# Altium PCB PI_CAN_Interface_v3.PcbDoc
Units mil, origin at the board's own origin, x right, y up, seen from the top; angles counter-clockwise.
Board outline 2565.49 x 2211.16 mil, 4 copper layers (TOP, GND, PWR, BOT), stack 58.4 mil thick; 49 components, 39 nets, 189 pads, 280 vias.
Unrouted connection lines stored in the file: 4.
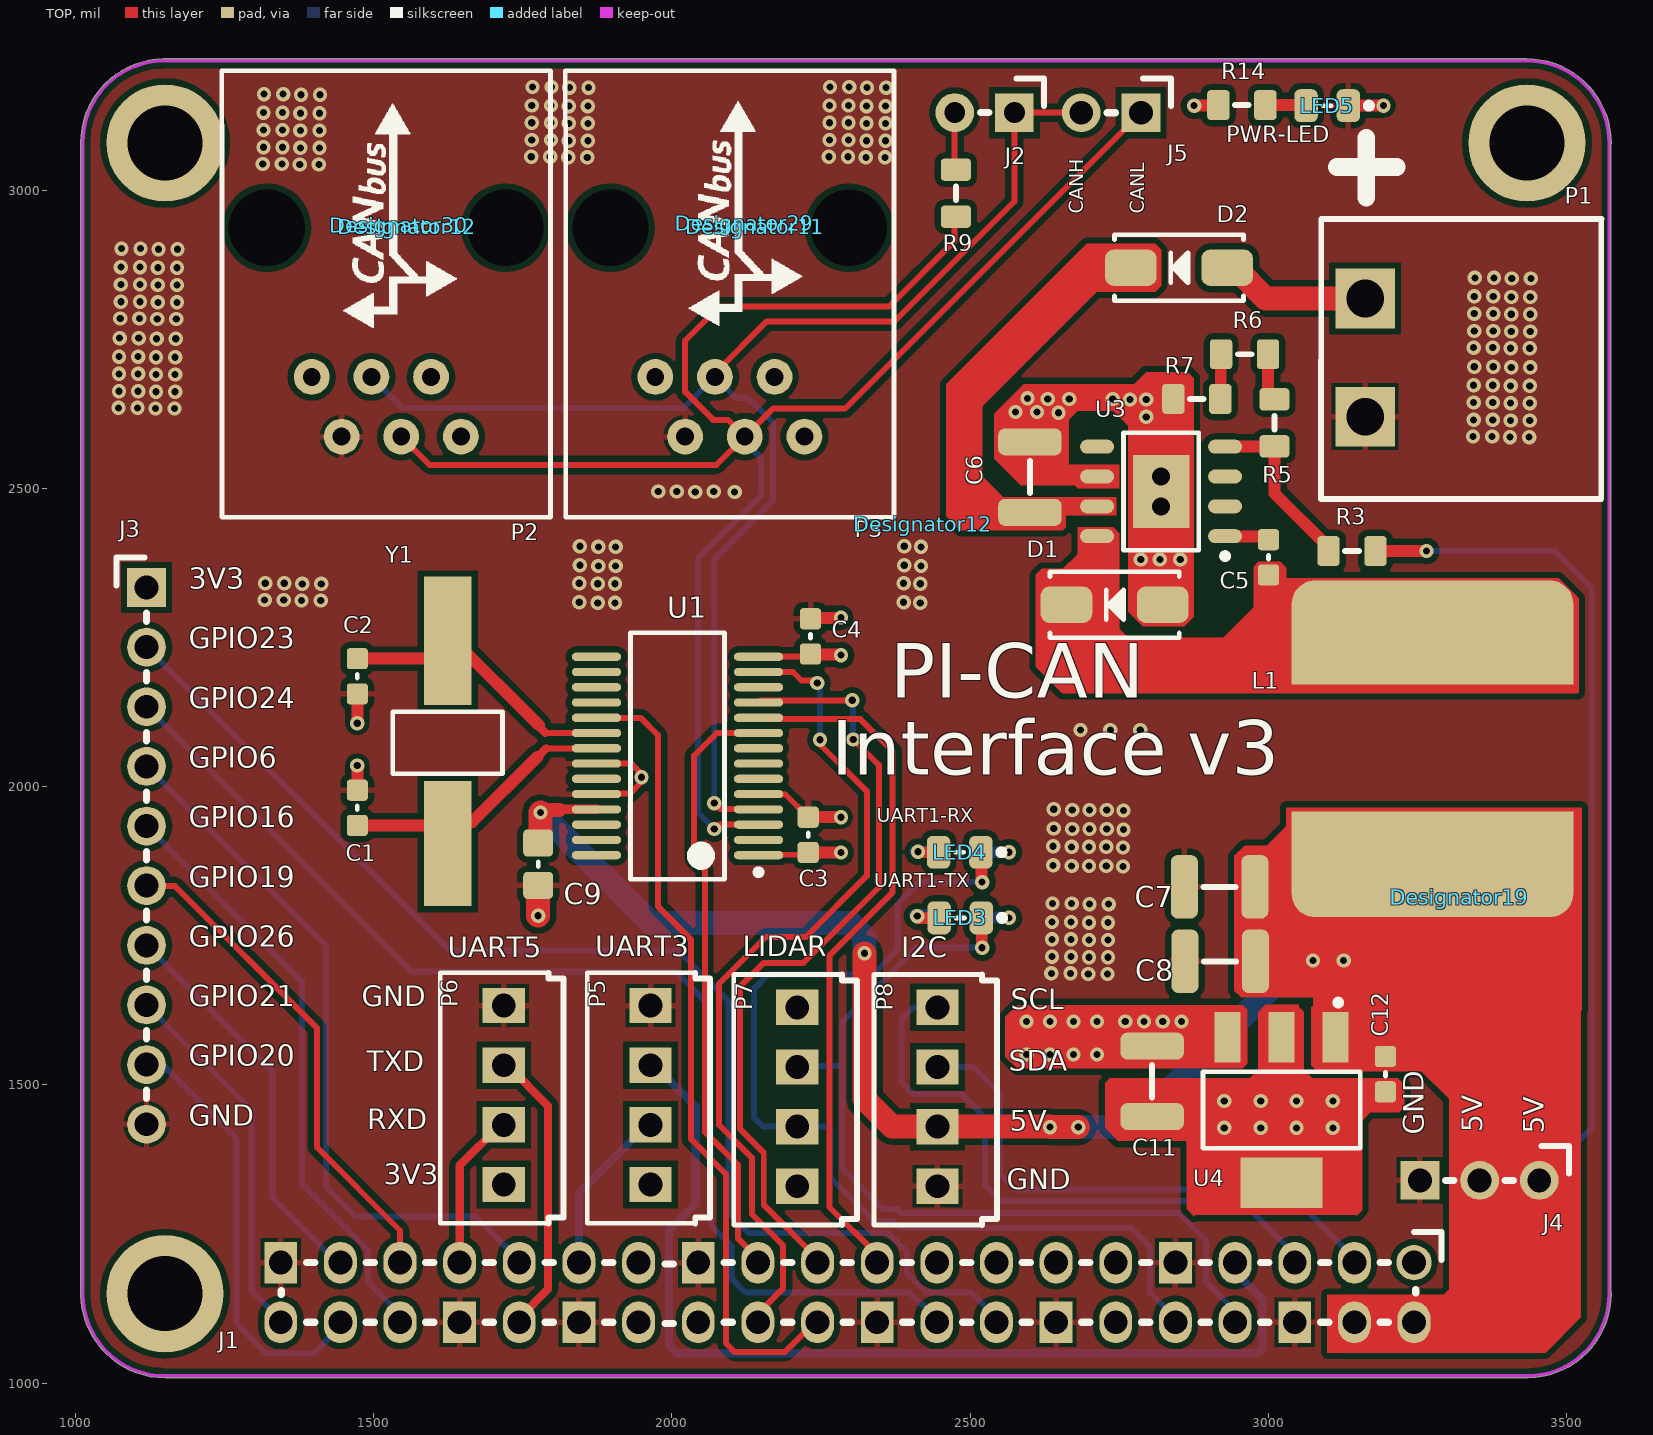
[diagram p0: TOP view]
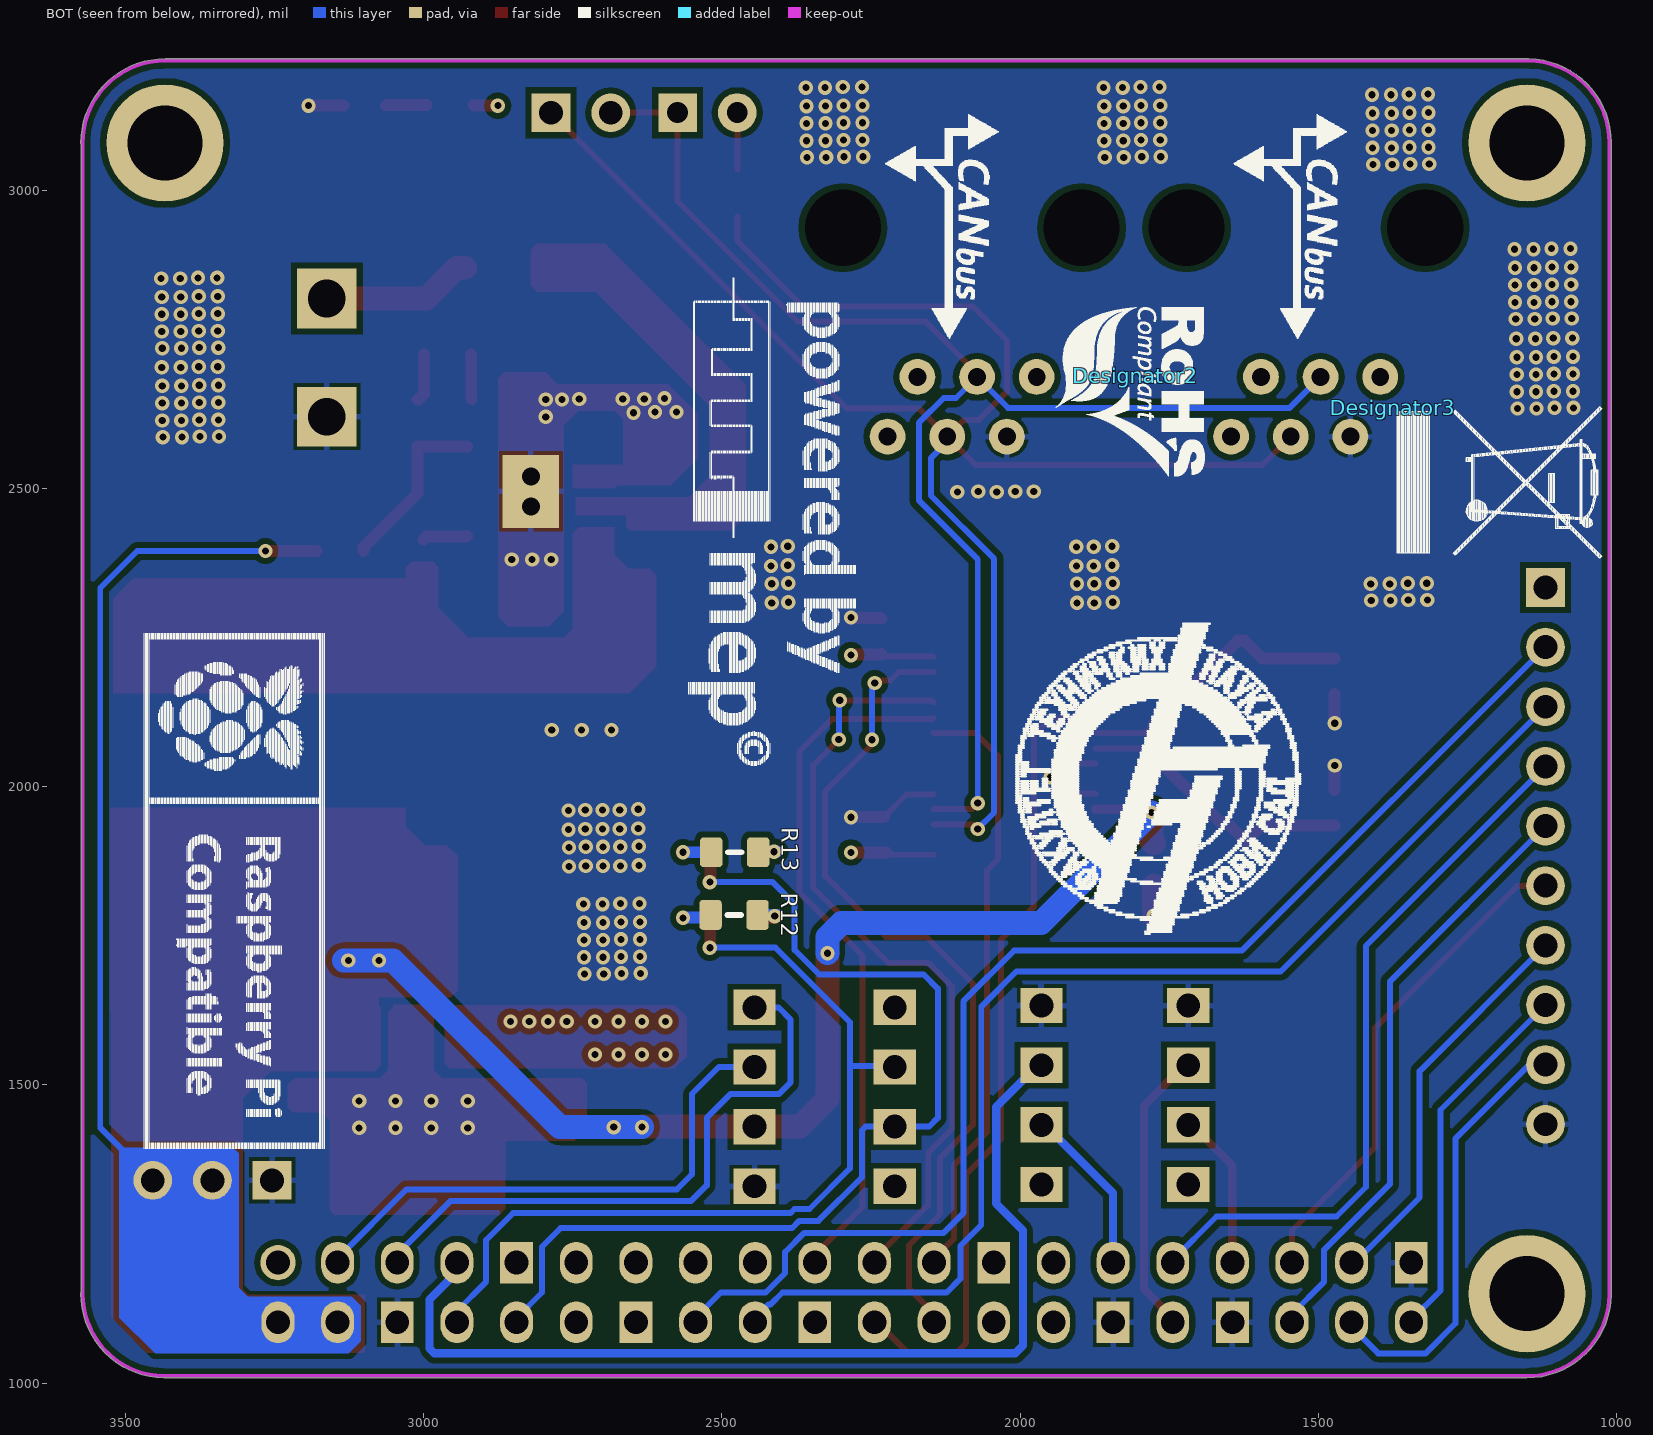
[diagram p1: BOT view, seen from below]
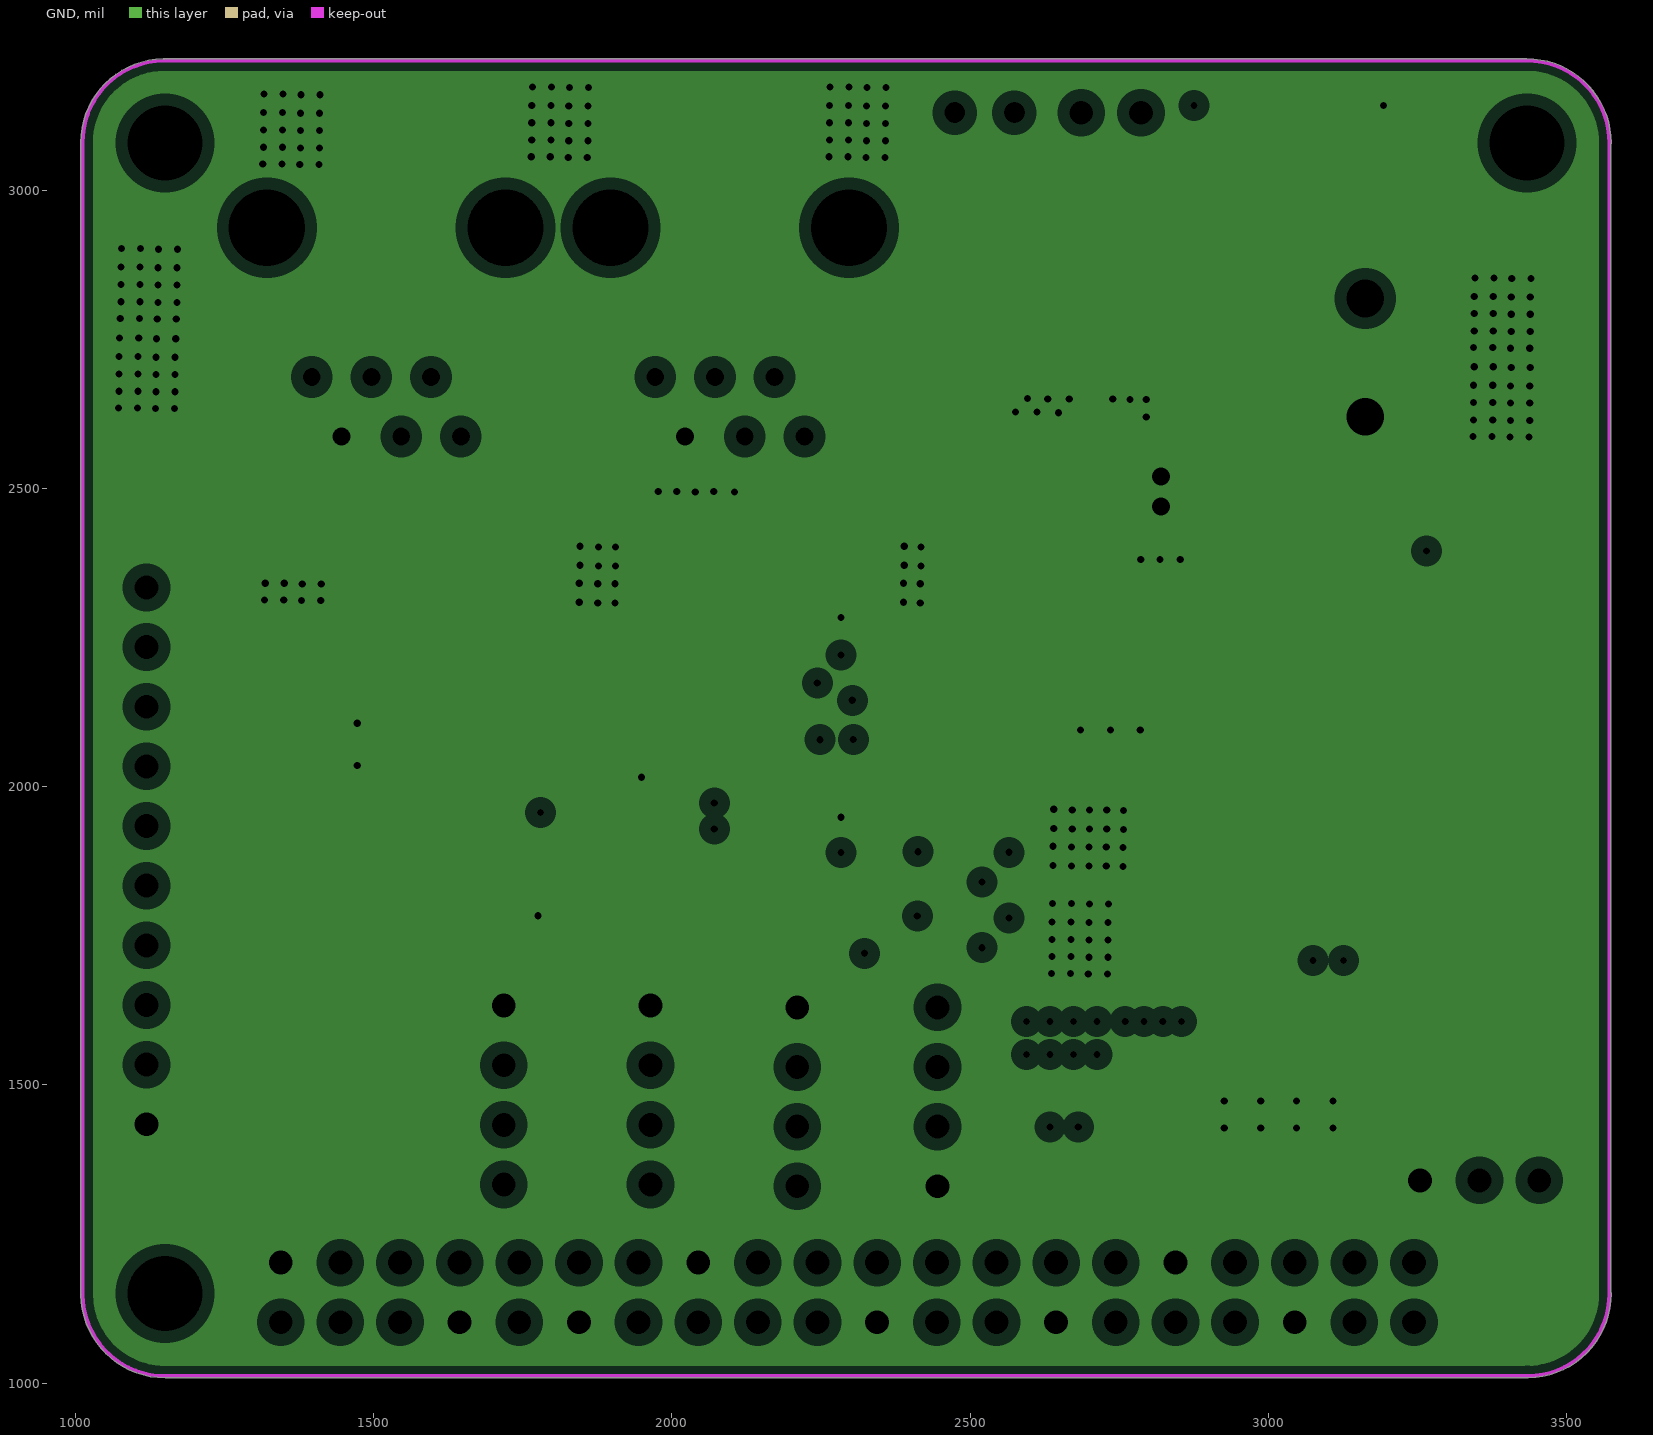
[diagram p2: GND, clearances drawn from the general rule]
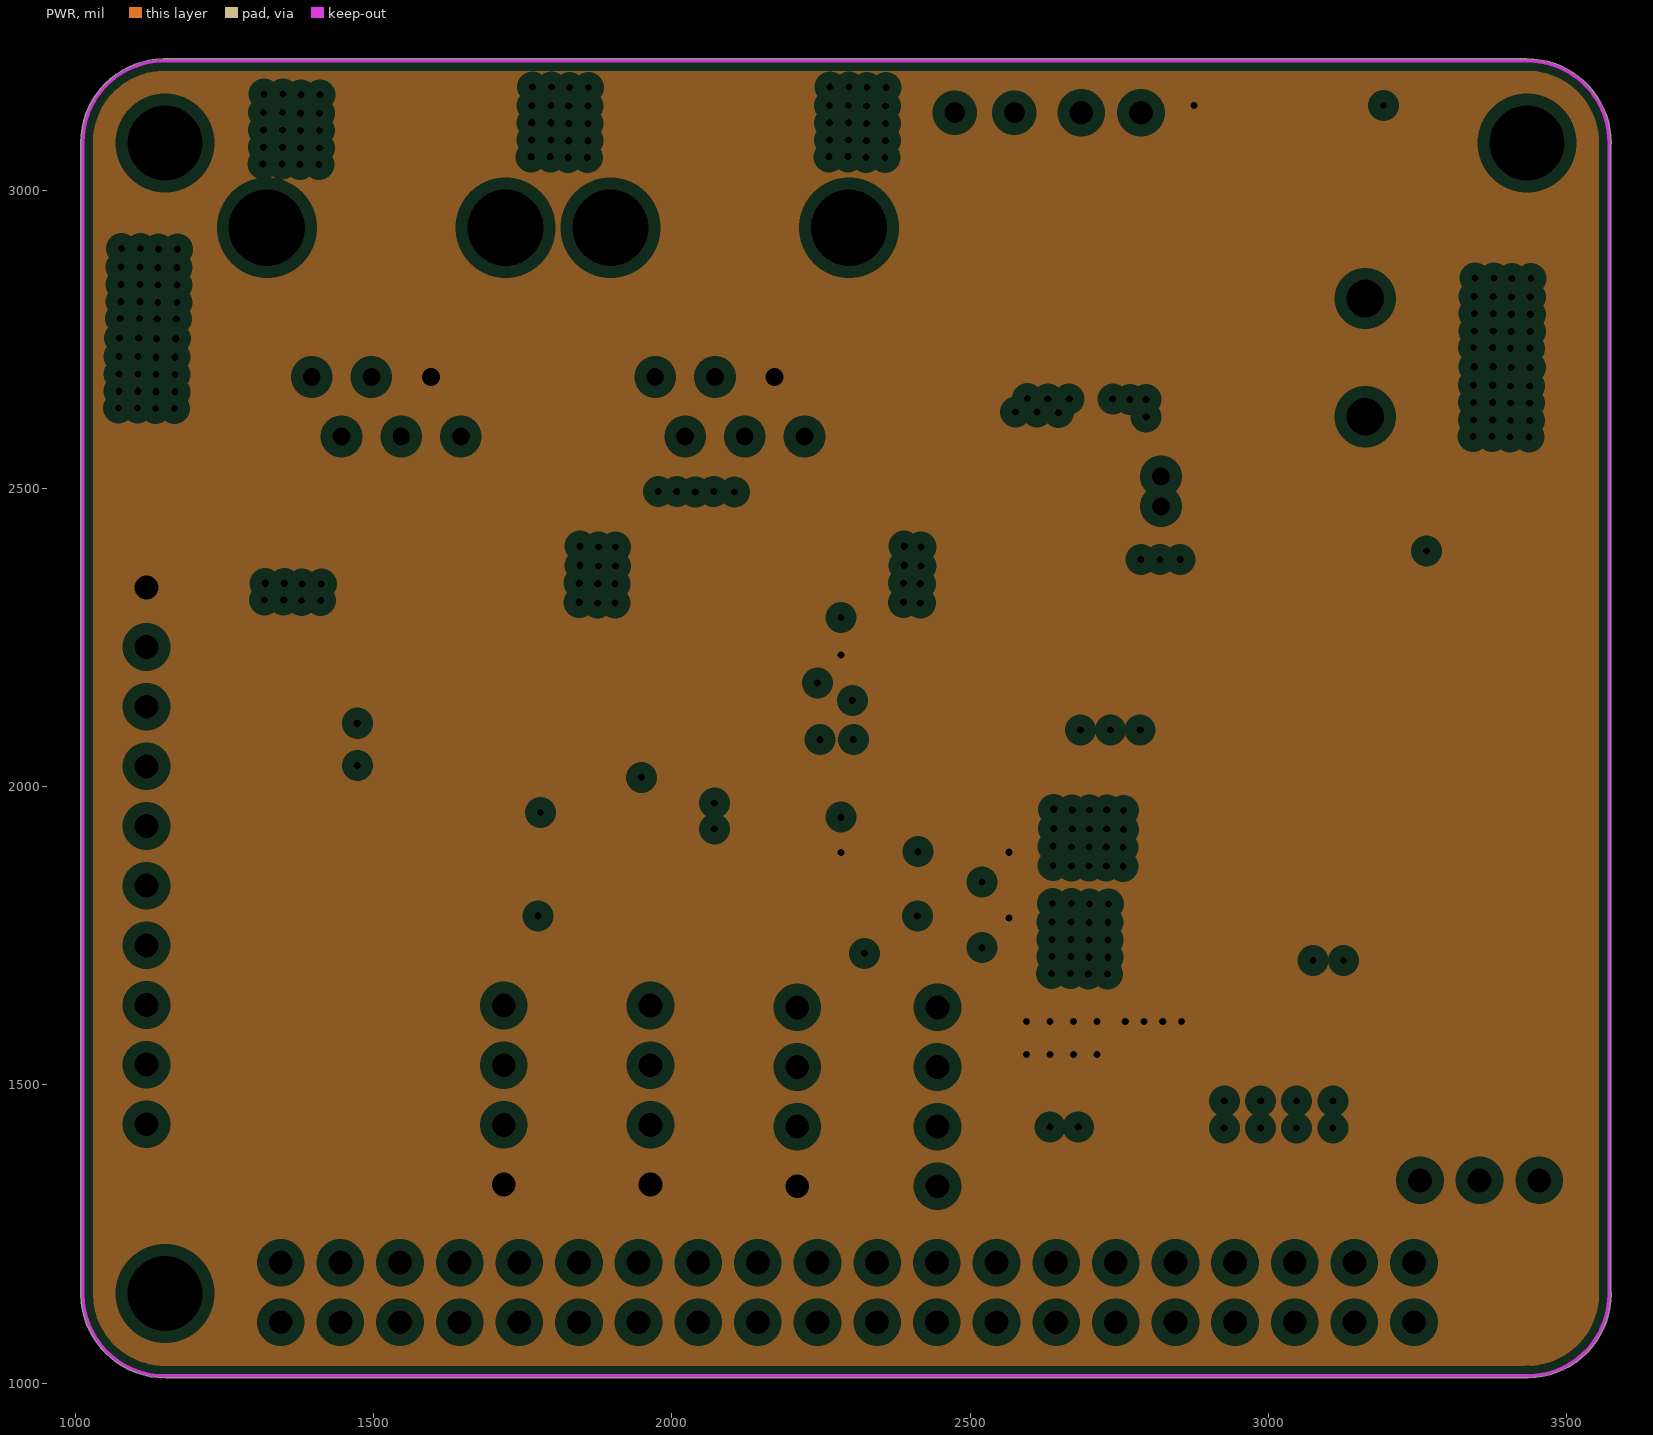
[diagram p3: PWR, clearances drawn from the general rule]

## Layer stack, top to bottom
Top Solder: solder mask 0.4, Solder Resist, Dk 3.5
TOP: signal copper 1.4
Dielectric 2: prepreg 2.8, PP-006, Dk 4.29
GND: plane copper 1.378, net GND
Dielectric 1: dielectric 47.2441, FR-4, Dk 4.8
PWR: plane copper 1.378, net VCC-3V3
Dielectric 3: prepreg 2.8, PP-006, Dk 4.29
BOT: signal copper 1.4
Bottom Solder: solder mask 0.4, Solder Resist, Dk 3.5

## Board outline
1009,1147.93 cw(c1012.01,1147.97) 1009.19,1149.03 cw(c1012,1150.13) 1008.99,1150.13 1008.99,3080 cw(c1149.13,3080) 1147.07,3220.13 cw(c1147.12,3217.12) 1148.29,3219.89 cw(c1149.13,3217) 1149.13,3220.01 3432.44,3220.01 cw(c3433.33,3217.13) 3433.33,3220.15 cw(c3433.46,3079.13) 3574.48,3079.13 cw(c3433.46,3079.13) 3574.48,3079 cw(c3571.46,3079) 3574.01,3077.39 3574.01,1151.74 cw(c3571.46,1150.13) 3574.48,1150.14 cw(c3433.47,1150) 3574.48,1150 cw(c3433.47,1150) 3435.54,1009 cw(c3435.5,1012.01) 3434.43,1009.19 cw(c3433.33,1012) 3433.33,1008.99 1150.13,1008.99 1150.14,1008.99 cw(c1150,1150)

## Design rules (kind name [scope] priority, off if disabled: settings)
Clearance [All] p1: gap=10 ignorepadtopadclearanceinfootprint=FALSE except(0: Arc-Hole Track-Hole SMDPad-Hole THPad-Hole Via-Hole Fill-Hole Poly-Hole Region-Hole Text-Hole)
PlaneClearance [All] p1: clearance=20
PlaneConnect [All] p1: pad.planeconnectstyle=Relief pad.reliefexpansion=20 pad.reliefentries=4 pad.reliefconductorwidth=10 pad.reliefairgap=10 via.planeconnectstyle=Direct via.reliefexpansion=20 via.reliefentries=4 via.reliefconductorwidth=10 via.reliefairgap=10
PolygonConnect [All] p1: thpad.connectstyle=Relief thpad.reliefconductorwidth=10 thpad.reliefentries=4 thpad.polygonreliefangle="90 Angle" thpad.airgapwidth=6 smdpad.connectstyle=Relief smdpad.reliefconductorwidth=10 smdpad.reliefentries=4 smdpad.polygonreliefangle="90 Angle" smdpad.airgapwidth=10 via.connectstyle=Direct via.reliefconductorwidth=10 via.reliefentries=4 via.polygonreliefangle="90 Angle" via.airgapwidth=6
RoutingVias [All] p1: holewidth=12 width=24 viastyle="Through Hole" minholewidth=12 minwidth=24 maxholewidth=28 maxwidth=50
SilkToSolderMaskClearance [IsPad] p1: minsilkscreentomaskgap=2 clearancetoexposedcopper=TRUE
SolderMaskExpansion [All] p1: expansion=4 istentingtop=FALSE
Width [All] p1: maxlimit=40 minlimit=10 preferedwidth=20
27 further rules are at their usual default settings.

## Classes and differential pairs
component class PI_CAN_Interface_v3: * C1 C2 C3 C4 C5 C6 C7 C8 C9 C11 C12 D1 D2 J1 J2 J3 J4 J5 L1 LED3 LED4 LED5 P1 P2 P3 P5 P6 P7 P8 R3 R5 R6 R7 R9 R12 R13 R14 U1 U3 U4 Y1

## Components (designator, comment, footprint, x,y, rotation, side; value= is the part's Value field where it differs from the comment)
C1 "6pF" CER_0603 1472.44,1964.57 r0 top
C2 "6pF" CER_0603 1472.44,2185.04 r180 top
C3 "100n" CER_0603 2228.35,1919.29 r0 top
C4 "100n" CER_0603 2232.28,2251.97 r0 top
C5 "0.01uF" CER_0603 3000,2384.53 r180 top
C6 "10uF" CER_1210 2600,2520 r0 top
C7 "100uF" CER_1210 2917,1832 r90 top
C8 "100uF" CER_1210 2918,1707 r90 top
C9 "100nF" CER_0805 1775.59,1870.08 r180 top
C11 "10uF" TANT_1210 2805,1507 r0 top
C12 "100n" CER_0603 3196,1518 r180 top
D1 "B340A" DO214AC 2742,2305 r0 top
D2 "SK34" DO214AC 2850,2870 r0 top
Designator2 "Comment" "Silk - ROHS" 1807.09,2688.98 r270 bottom
Designator3 "Comment" "SILK - RECYCLE maxi" 1375,2635 r270 bottom
Designator11 "Comment" CANbus_LOGO_bottom_big 2139,2939 r90 top
Designator12 "Comment" CANbus_LOGO_bottom_big 1555,2939 r90 top
Designator12 "Comment" MEP_LOGO_BIG 2420,2440 r90 top
Designator19 "Comment" RPI_PWD_bottom_big 3320,1815 r90 top
Designator29 "Comment" CANbus_LOGO_top 2121,2945 r90 top
Designator30 "Comment" CANbus_LOGO_top 1542,2941 r90 top
J1 "00000005" HM2X20 2294,1152 r270 top
J2 "*" HM1X2 2524,3130 r180 top
J3 "00000006" HM1X10 1119,1884 r270 top
J4 "*" HM1X3 3354,1340 r180 top
J5 "*" HM1x2 2736.22,3129.92 r180 top
L1 "15uH" INDUCTOR_SS1260-103MLD 3290,2065 r90 top
LED3 "LED GREEN" LED_GREEN_0805 2483.31,1780 r180 top
LED4 "LED GREEN" LED_GREEN_0805 2482.31,1890 r180 top
LED5 "LED RED" LED_RED_0805 3098.43,3141.73 r180 top
P1 "*" PWR_CON 3162,2620.43 r0 top
P2 "RJ-11" RJ11-6N-B 1498,2870 r270 top
P3 "RJ-11" RJ11-6N-B 2074,2870 r270 top
P5 "TE CONNECTIVITY_4PIN_MALE" "TE CONNECTIVITY_4PIN_MALE" 1964,1333 r90 top
P6 "TE CONNECTIVITY_4PIN_MALE" "TE CONNECTIVITY_4PIN_MALE" 1718,1333 r90 top
P7 "TE CONNECTIVITY_4PIN_MALE" "TE CONNECTIVITY_4PIN_MALE" 2210,1330 r90 top
P8 "TE CONNECTIVITY_4PIN_MALE" "TE CONNECTIVITY_4PIN_MALE" 2445,1330 r90 top
R3 "10k" RESC2013X38N-0805-NOOVERLAY 3140,2395 r90 top
R5 "220R" RESC2013X38N-0805-NOOVERLAY 3010,2610 r0 top
R6 "820R" RESC2013X38N-0805-NOOVERLAY 2960,2725 r90 top
R7 "2.2K" RESC2013X38N-0805-NOOVERLAY 2880,2650 r90 top
R9 "120R" RESC2013X38N-0805-NOOVERLAY 2476,2995 r180 top
R12 "1k" RESC2013X38N-0805-NOOVERLAY 2479.37,1785 r270 bottom
R13 "1k" RESC2013X38N-0805-NOOVERLAY 2478.31,1890 r270 bottom
R14 "1k" RESC2013X38N-0805-NOOVERLAY 2955.43,3142.73 r270 top
U1 "MCP251863" SSOP-28 1964.57,2023.62 r180 top
U3 "TPS5430" HSOP-8 2820,2495 r180 top
U4 "LM2937-5" SOT223 3022,1458 r180 top
Y1 "20MHz" OSCILATOR 1625.98,2074.8 r270 top
